# Altium PCB Udemy_Project.PcbDoc (part 1 of 2) (continued)
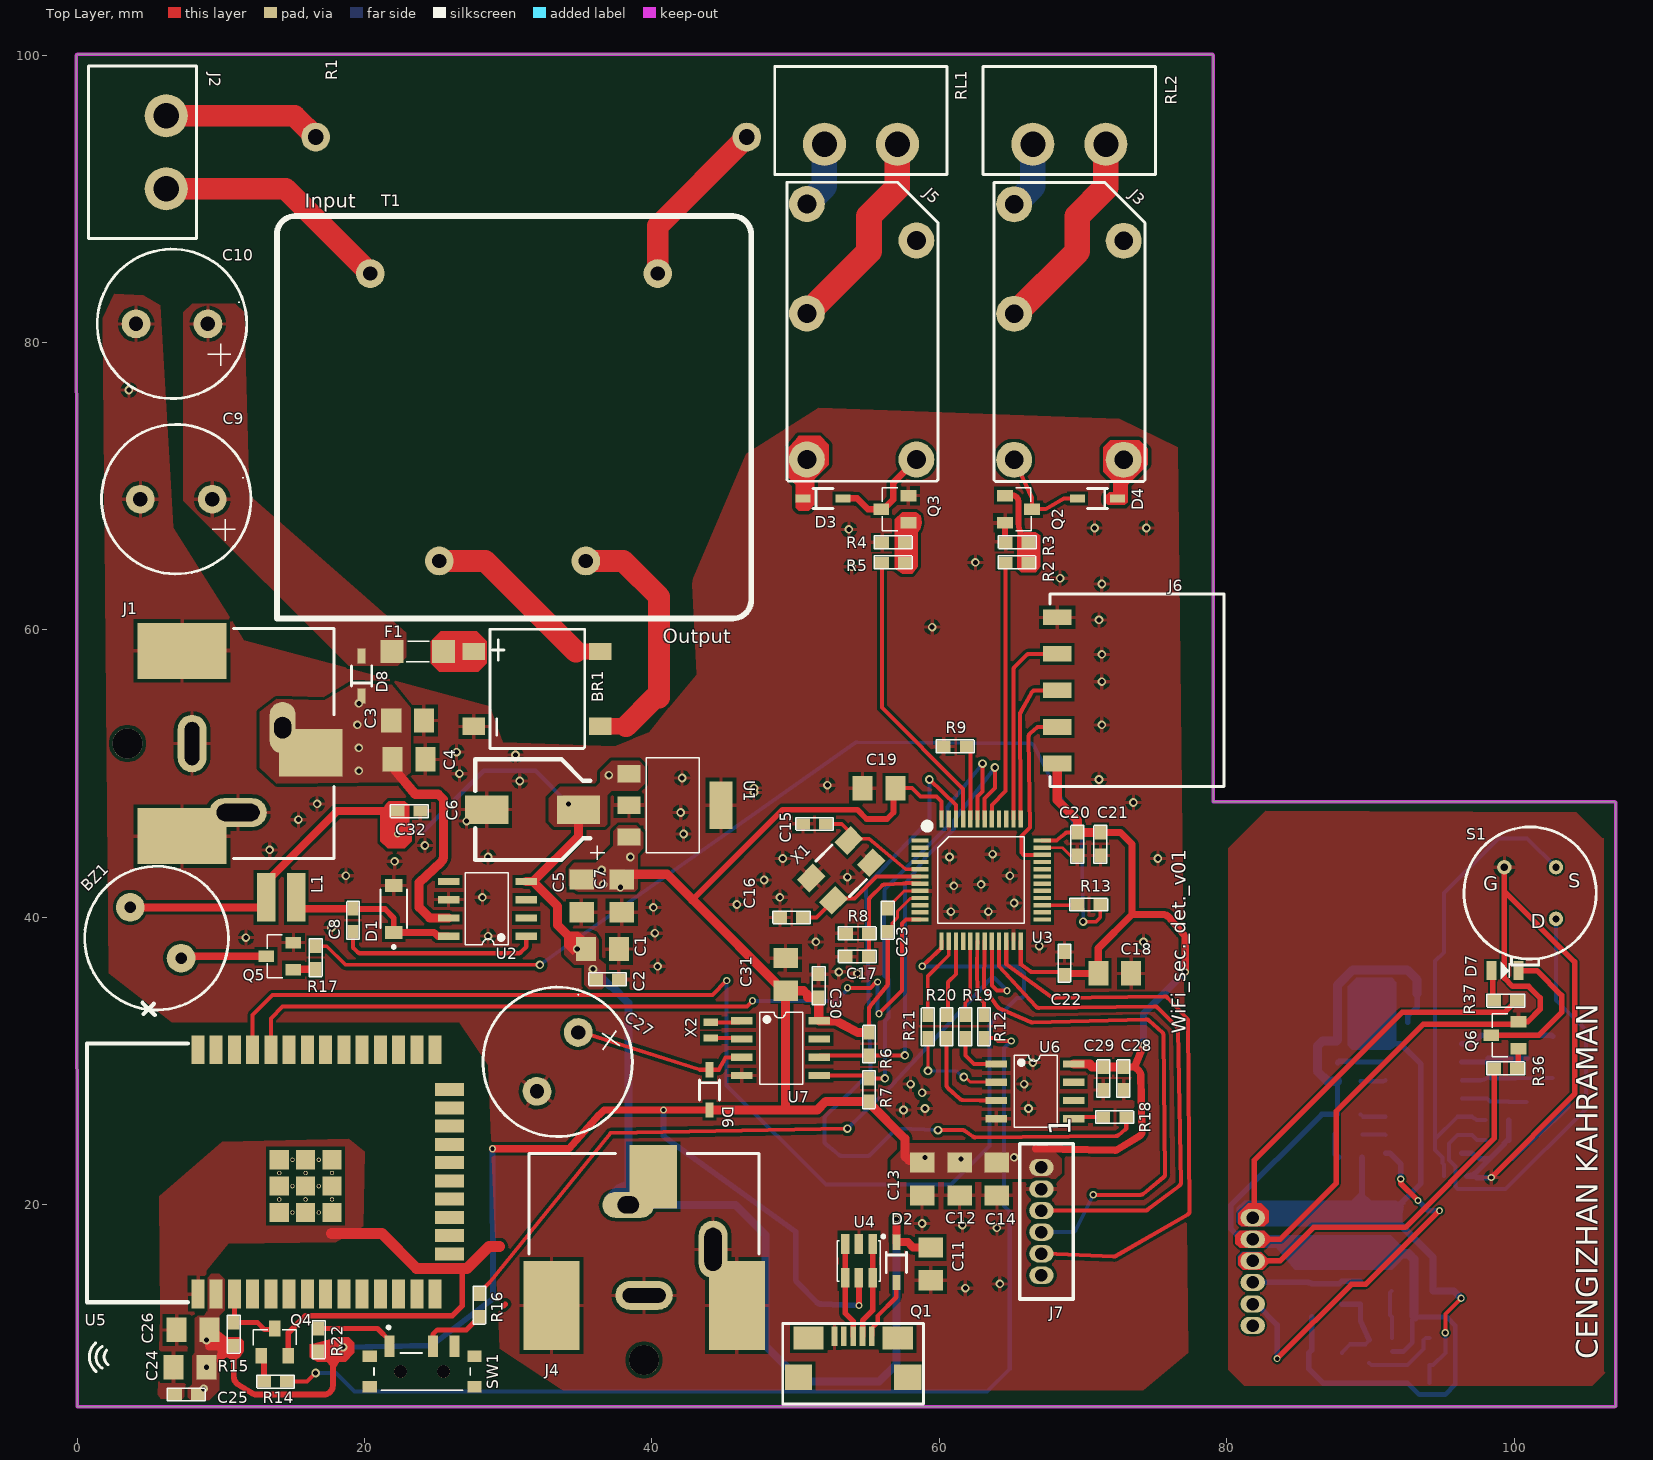
[diagram p0: Top Layer view]
## Design rules (kind name [scope] priority, off if disabled: settings)
Clearance [All] p1: gap=0.127 ignorepadtopadclearanceinfootprint=FALSE except(0: Arc-Hole Track-Hole SMDPad-Hole THPad-Hole Via-Hole Fill-Hole Poly-Hole Region-Hole Text-Hole; 0.102: Arc-Arc Arc-Track Arc-Via Track-Track Track-Via SMDPad-Via THPad-Via Via-Via; 0.229: Arc-Text Track-Text SMDPad-Text THPad-Text Via-Text Fill-Text Poly-Text Region-Text Text-Text)
ComponentClearance [All] p1: gap=0.127 collisioncheckmode=3 verticalgap=0.254 showdistances=FALSE
DiffPairsRouting [All] p1: maxlimit=0.254 minlimit=0.254 mostfreqgap=0.254 toplayer_minwidth=0.2 toplayer_maxwidth=0.381 toplayer_prefwidth=0.381 bottomlayer_minwidth=0.2 bottomlayer_maxwidth=0.381 bottomlayer_prefwidth=0.381 maxuncoupledlength=12.7
PasteMaskExpansion [All] p1: expansion=0.127
PlaneClearance [All] p1: clearance=0.762
PlaneConnect [All] p1: planeconnectstyle=Relief reliefexpansion=0.025 reliefentries=4 reliefconductorwidth=0.025 reliefairgap=0.025
PolygonConnect [All] p1: connectstyle=Relief reliefconductorwidth=0.254 reliefentries=4 polygonreliefangle="90 Angle" airgapwidth=0.254
RoutingCorners [All] p1: cornerstyle=45-Degree minsetback=2.032 maxsetback=2.032
RoutingVias [All] p1: holewidth=0.3 width=0.5 viastyle="Through Hole" minholewidth=0.25 minwidth=0.4 maxholewidth=0.5 maxwidth=1
SMDToCorner [All] p1: distance=10000
SilkToSilkClearance [All] p1: silktosilkclearance=0
SolderMaskExpansion [All] p1: expansion=0.102 istentingtop=FALSE
UnRoutedNet [All] p1: checkbadconnections=TRUE
Width [All] p1: maxlimit=1.778 minlimit=0.203 preferedwidth=0.279 minimp=50.000000 maximp=50.000000 favimp=50.000000
22 further rules are at their usual default settings.

## Classes and differential pairs
component class "Sensor Board": C32 C33 C34 C35 C36 C37 C38 C39 C40 C41 C42 C43 C44 C45 C46 D6 D7 J8 Q6 R23 R24 R25 R26 R27 R28 R29 R30 R31 R32 R33 R34 R35 R36 R37 RT1 S1 U8 U9
component class "Power Management": BR1 C1 C2 C3 C4 C5 C6 C7 C8 C9 C10 C11 C12 C13 C14 D1 D2 D3 D4 D8 F1 J1 J2 J3 J4 J5 J6 J7 L1 Q1 Q2 Q3 R1 R2 R3 R4 R5 RL1 RL2 T1 U1 U2
component class Microcontroller: BZ1 C15 C16 C17 C18 C19 C20 C21 C22 C23 C24 C25 C26 C27 C28 C29 C30 C31 C32 D6 Q4 Q5 R6 R7 R8 R9 R10 R11 R12 R13 R14 R15 R16 R17 R18 R19 R20 R21 R22 SW1 U3 U4 U5 U6 U7 X1 X2
differential pair USB_MCU: +USB_MCU_P -USB_MCU_N
differential pair USB: +USB_P -USB_N

## Components (designator, comment, footprint, x,y, rotation, side; value= is the part's Value field where it differs from the comment)
BR1 "DB105STR" DB1 32,55.9 r90 top
BZ1 "CMI-9605IC-0580T" CMI-9605IC 5.468,38.932 r225 top
C1 "CAP CER 1uF" "CAP 0805" 36.557,37.8 r180 top
C2 "CAP CER 100nF 0603" CAP_0603 35.7,35.7 r180 top
C3 "CAP CER 1uF" "CAP 0805" 23,53.7 r0 top
C4 "CAP CER 100nF 0805" "CAP 0805" 23.1,51 r180 top
C5 "CAP CER 4.7uF 0805" "CAP 0805" 35.1,41.5 r270 top
C6 "CAP ALU 68uF" "CAP EEVSERIES" 31.7,47.5 r180 top
C7 "CAP CER 1uF" "CAP 0805" 37.9,41.5 r90 top
C8 "CAP CER 10nF 0603" CAP_0603 19.2,41 r90 top
C9 "ESH477M050AH4AA" CAP_RADIAL_D10_P5 6.9,69.1 r180 top
C10 "ESH477M050AH4AA" CAP_RADIAL_D10_P5 6.6,81.3 r180 top
C11 "CAP CER 4.7uF 0805" "CAP 0805" 59.4,15.9 r270 top
C12 "CAP CER 4.7uF 0805" "CAP 0805" 61.4,21.8 r90 top
C13 "CAP CER 4.7uF 0805" "CAP 0805" 58.8,21.8 r90 top
C14 "CAP CER 1uF" "CAP 0805" 64,21.8 r90 top
C15 "CAP CER 20pF 0603" CAP_0603 50.1,46.5 r180 top
C16 "CAP CER 20pF 0603" CAP_0603 48.5,40 r180 top
C17 "CAP CER 100nF 0603" CAP_0603 53.079,37.281 r180 top
C18 "CAP CER 4.7uF 0805" "CAP 0805" 72.2,36.1 r180 top
C19 "CAP CER 1uF" "CAP 0805" 55.8,49 r0 top
C20 "CAP CER 100nF 0603" CAP_0603 69.6,46.3 r90 top
C21 "CAP CER 100nF 0603" CAP_0603 71.2,46.3 r90 top
C22 "CAP CER 100nF 0603" CAP_0603 68.7,35.6 r270 top
C23 "CAP CER 100nF 0603" CAP_0603 56.4,38.6 r270 top
C24 "CAP CER 4.7uF 0805" "CAP 0805" 7.857,8.7 r0 top
C25 "CAP CER 100nF 0603" CAP_0603 8.8,6.8 r0 top
C26 "CAP CER 1uF" "CAP 0805" 8.057,11.3 r180 top
C27 "ESH477M050AH4AA" CAP_RADIAL_D10_P5 33.434,29.948 r235 top
C28 "CAP CER 100nF 0603" CAP_0603 72.8,30 r90 top
C29 "CAP CER 100nF 0603" CAP_0603 71.4,30 r90 top
C30 "CAP CER 100nF 0603" CAP_0603 51.6,34.043 r270 top
C31 "CAP CER 1uF" "CAP 0805" 49.3,36.043 r90 top
C32 "CAP CER 10nF 0603" CAP_0603 99.6,29.2 r90 bottom
C32 "CAP CER 100nF 0603" CAP_0603 21.9,47.4 r180 top
C33 "CAP CER 33uF 1206" CAP_1206 102.3,27.2 r180 bottom
C34 "CAP CER 33uF 1206" CAP_1206 102.7,30.3 r90 bottom
C35 "CAP CER 100nF 0603" CAP_0603 97.6,24.5 r180 bottom
C36 "CAP CER 10nF 0603" CAP_0603 99.6,32.2 r90 bottom
C37 "CAP CER 100nF 0603" CAP_0603 94.5,7.6 r0 bottom
C38 "CAP CER 100nF 0603" CAP_0603 94.7,22 r180 bottom
C39 "CAP CER 4.7uF 0805" "CAP 0805" 86.857,9.7 r0 bottom
C40 "CAP CER 1uF" "CAP 0805" 85.9,13.357 r90 bottom
C41 "CAP CER 100nF 0603" CAP_0603 87.7,31.9 r90 bottom
C42 "CAP CER 1uF" "CAP 0805" 92.1,34.7 r180 bottom
C43 "CAP CER 100nF 0603" CAP_0603 90.6,32.7 r180 bottom
C44 "CAP CER 4.7uF 0805" "CAP 0805" 90.7,18.2 r90 bottom
C45 "CAP CER 4.7uF 0805" "CAP 0805" 88,18.2 r90 bottom
C46 "CAP CER 1uF" "CAP 0805" 85.3,18.243 r90 bottom
D1 "SZMMSZ52" SZM 22.1,40.5 r90 top
D2 "1N4148WS" SOD323F 59.3,18 r270 top
D3 "1N4148WS" SOD323F 49.9,71.457 r0 top
D4 "1N4148WS" SOD323F 73,66.857 r180 top
D6 "LED GREEN 0805" "LED GREEN 0805" 88.5,24.9 r180 bottom
D6 "1N4148WS" SOD323F 46.3,30 r270 top
D7 "LED RED 0805" "LED RED 0805" 97.15,36.1 r180 top
D8 "1N4148WS" SOD323F 17.5,54.8 r90 top
F1 "FUSE 3413.0216.22" "FUSE 3413.0216.22" 23.7,58.5 r180 top
J1 "PJ-037AH-SMT-TR" JACK -3.725,49.6 r0 top
J2 "TBP01R1-508-02BE" TBP01R1-508 15.5,99.04 r270 top
J3 "TBP01R1-508-02BE" TBP01R1-508 74.84,84.5 r180 top
J4 "PJ-037AH-SMT-TR" JACK 41.95,1.975 r90 top
J5 "TBP01R1-508-02BE" TBP01R1-508 60.34,84.5 r180 top
J6 "SMH-105-02-L-S" PINHEADER1X5_RA 71.8,51.4 r90 top
J7 "64800611622_conn_6pin" 64800611622 64.302,22.311 r270 top
J8 "64800611622_conn_6pin" 64800611622 84.598,18.811 r270 bottom
L1 "IND 47uH" IND_1212 14.2,41.4 r180 top
Q1 "Micro B USB Connector" MICRO_B_USB 50.86,10.706 r0 top
Q2 "MMBT3904-7-F" SOT-23F 65.5,68.407 r270 top
Q3 "MMBT3904-7-F" SOT-23F 56.9,68.4 r90 top
Q4 "MMBT3904-7-F" SOT-23F 13.75,10.445 r0 top
Q5 "MMBT3904-7-F" SOT-23F 14.1,37.3 r90 top
Q6 "MMBT3904-7-F" SOT-23F 99.345,31.8 r90 top
R1 "5WD27" RES_AXIAL_W 31.6,94.3 r0 top
R2 "RES 1K OHM 0603" RES_0603 65.4,64.7 r0 top
R3 "RES 10K OHM 0603" RES_0603 65.4,66.11 r180 top
R4 "RES 10K OHM 0603" RES_0603 56.8,66.1 r0 top
R5 "RES 1K OHM 0603" RES_0603 56.8,64.7 r0 top
R6 "RES 4.7K OHM 0603" RES_0603 55.1,31.2 r90 top
R7 "RES 4.7K OHM 0603" RES_0603 55.1,28 r270 top
R8 "RES 100 OHM 0603" RES_0603 54.3,38.9 r0 top
R9 "RES 100 OHM 0603" RES_0603 61.1,51.9 r0 top
R12 "RES 100 OHM 0603" RES_0603 63.1,32.4 r270 top
R13 "RES 100 OHM 0603" RES_0603 70.4,40.9 r0 top
R14 "RES 100 OHM 0603" RES_0603 13.8,7.7 r180 top
R15 "RES 1K OHM 0603" RES_0603 10.9,11 r270 top
R16 "RES 100 OHM 0603" RES_0603 28,13 r270 top
R17 "RES 100 OHM 0603" RES_0603 16.6,37.2 r270 top
R18 "RES 100 OHM 0603" RES_0603 72.2,26.1 r0 top
R19 "RES 100 OHM 0603" RES_0603 61.8,32.4 r90 top
R20 "RES 100 OHM 0603" RES_0603 60.5,32.4 r90 top
R21 "RES 100 OHM 0603" RES_0603 59.2,32.4 r90 top
R22 "RES 100 OHM 0603" RES_0603 16.8,10.6 r270 top
R23 "RES 10K OHM 0603" RES_0603 99,23.2 r0 bottom
R24 "RES 10K OHM 0603" RES_0603 92.3,12.2 r180 bottom
R25 "RES 560K OHM 0603" RES_0603 98.2,28.1 r90 bottom
R26 "RES 10K OHM 0603" RES_0603 100.9,31 r270 bottom
R27 "RES 560K OHM 0603" RES_0603 98.2,31 r90 bottom
R28 "RES 43K OHM 0603" RES_0603 98.8,25.9 r180 bottom
R29 "RES 1K OHM 0603" RES_0603 89.9,9.8 r90 bottom
R30 "RES 220K OHM 0603" RES_0603 89.3,13.9 r90 bottom
R31 "RES 220K OHM 0603" RES_0603 88,13.9 r90 bottom
R32 "RES 0 OHM 0603" RES_0603 88.5,26.3 r0 bottom
R33 "RES 0 OHM 0603" RES_0603 88.5,28.6 r0 bottom
R34 "RES 1K OHM 0603" RES_0603 88.6,23.3 r0 bottom
R35 "RES 220K OHM 0603" RES_0603 89,30.8 r90 bottom
R36 "RES 1K OHM 0603" RES_0603 99.4,29.5 r0 top
R37 "RES 100 OHM 0603" RES_0603 99.4,34.2 r180 top
RL1 "ALQ112" ALQ112 54.59,80.75 r90 top
RL2 "ALQ112" ALQ112 69.01,80.73 r90 top
RT1 "TFPT 1206L 1002FM" RES_1206 92.9,14 r0 bottom
S1 "LHI 878/3902" "LHI 878" 101.104,41.696 r0 top
SW1 "EG1215AA" EG121 896.615,-137.692 r0 top
T1 "BV302S12010-ZU" BV302S 30.4,74.8 r0 top
U1 "AP7361-33E-13" SOT223 41.6,47.8 r270 top
U2 "LM2675MX-12/NOPB" SOIC8 28.5,40.6 r270 top
U3 "STM32F103C6T6" LQFP-48 62.9,42.6 r270 top
U4 "USB PROTECTION" SOT23-6L 55.7,16 r270 top
U5 "ESP32-WROOM 32E (4 MB)" ESP32-32E 17.155,22.3 r90 top
U6 "MAX6662" SOIC8 66.7,27.9 r90 top
U7 "M41T00" SOIC8 49,30.9 r90 top
U8 "OPA314" SOT23-5 92.8,9.8 r0 bottom
U9 "NCS360000" SOIC14 94.1,29.8 r180 bottom
X1 "CRYSTAL 16MHz" ECS 53.8,44.9 r45 top
X2 "CRYSTAL 32768kHZ" AB505 44,32.15 r90 top

## Footprints (in the part's own frame and the unit in brackets; to place one, negate y for a bottom-side part, rotate by r counter-clockwise, add the part's x,y. Pads: shape width x height; smd on the part's side, far side on the other; paste and mask are expansions set on the pad)
64800611622 [mm]
  oval 1.2x1.7 hole 0.87 mask+0.05: 1(-0.289,2.798) 2(1.211,2.798) 3(2.711,2.798) 4(4.211,2.798) 5(5.711,2.798) 6(7.211,2.798)
  silkscreen extent -1.94,1.3 8.86,5, body extent -1.79,1.4 8.71,4.9, height 4.75
AB505 [mm]
  rect 0.5x1 smd mask+0.05: 1(-0.55,-0.1) 2(0.55,-0.1)
  body extent -0.8,-0.6 0.8,0.4, height 0.5
ALQ112 [mm]
  round 2.5 hole 1.3: 1(6.35,-3.81) 2(1.27,3.81) 3(8.89,3.81) 4(-8.89,-3.81) 5(-8.89,3.81)
  silkscreen extent -10.4,-5.3 10.4,5.2, body extent -10,-5 10,5, height 15.6
BV302S [mm]
  round 2 hole 1: 1(10,10) 5(-10,10) 7(-5.2,-10) 9(5,-10)
  silkscreen extent -16.5,-14 16.5,14, body extent -16.25,-13.75 16.25,13.75, height 21.8
"CAP 0805" [mm]
  rect 1.4x1.7 smd: 1(-1.143,0) 2(1.143,0)
  body extent -1.15,-0.76 1.15,0.79, height 1.01
"CAP EEVSERIES" [mm]
  rect 3x2 smd mask+0.05: 1(-3.2,0) 2(3.2,0)
  silkscreen extent -5,-3.5 4,3.5, body extent -3.8,-3.4 3.8,3.4, height 8.01
CAP_0603 [mil]
  rect 38x31 smd mask+1.97: 1(-78.74,0) 2(-15.74,0)
  silkscreen extent -99,-17 4,18, body extent -89,-22 -6,18, height 32
CAP_1206 [mm]
  rect 0.9x1.6 smd mask+0.05: 1(-1.46,-0.032) 2(1.44,-0.032)
  silkscreen extent -0.31,-0.83 0.29,0.77, body extent -1.98,-1.01 1.97,0.94, height 1.3
CAP_RADIAL_D10_P5 [mm]
  round 2 hole 1: 1(-2.5,0) 2(2.5,0)
  silkscreen extent -5.2,-5.2 5.2,5.2, body extent -5.2,-5.3 5.3,5.2, height 22.21
CMI-9605IC [mm]
  round 2 hole 0.8: 1(0,2.5) 2(0,-2.5)
  silkscreen extent -4.78,-4.69 5.22,5.31, body extent -4.6,-4.5 5,6, height 5.1
DB1 [mm]
  rect 1.2x1.55 smd mask+0.05: 1(-2.605,-4.4) 2(2.605,-4.4) 3(2.605,4.4) 4(-2.605,4.4)
  silkscreen extent -4.15,-3.32 4.15,3.28, body extent -4.16,-5.2 4.16,5.2, height 2.66
ECS [mm]
  rect 1.6x1.25 smd mask+0.05: 1(-3.45,-1.8) 2(0.25,-1.8) 3(0.25,0.4) 4(-3.45,0.4)
  silkscreen extent -2.5,-2.4 -0.8,1, body extent -4.1,-2.3 0.9,0.9, height 0.85
EG121 [mm]
  rect 0.7x1.5 smd: 1(-874.865,147.842) 2(-871.865,147.842) 3(-870.365,147.842)
  rect 1x0.8 smd: S1(-876.265,147.142) S2(-876.265,145.042) S3(-868.965,145.042) S4(-868.965,147.142)
  round 0.9 hole 0.9 unplated: ""(-874.115,146.092) ""(-871.115,146.092)
  silkscreen extent -875.97,144.79 -869.27,149.26, body extent -876.47,143.89 -868.77,148.79
ESP32-32E [mm]
  rect 2x0.9 smd mask+0.05: 1(-8.5,8.755) 2(-8.5,7.485) 3(-8.5,6.215) 4(-8.5,4.945) 5(-8.5,3.675) 6(-8.5,2.405) 7(-8.5,1.135) 8(-8.5,-0.135) 9(-8.5,-1.405) 10(-8.5,-2.675) 11(-8.5,-3.945) 12(-8.5,-5.215) 13(-8.5,-6.485) 14(-8.5,-7.755) 25(8.5,-7.755) 26(8.5,-6.485) 27(8.5,-5.215) 28(8.5,-3.945) 29(8.5,-2.675) 30(8.5,-1.405) 31(8.5,-0.135) 32(8.5,1.135) 33(8.5,2.405) 34(8.5,3.675) 35(8.5,4.945) 36(8.5,6.215) 37(8.5,7.485) 38(8.5,8.755)
  rect 0.9x2 smd mask+0.05: 15(-5.715,-8.755) 16(-4.445,-8.755) 17(-3.175,-8.755) 18(-1.905,-8.755) 19(-0.635,-8.755) 20(0.635,-8.755) 21(1.905,-8.755) 22(3.175,-8.755) 23(4.445,-8.755) 24(5.715,-8.755)
  rect 1.33x1.33 smd mask+0.05: 39(-2.835,3.09) 39(-2.835,-0.58) 39(-2.835,1.255) 39(-1,3.09) 39(-1,-0.58) 39(-1,1.255) 39(0.835,3.09) 39(0.835,-0.58) 39(0.835,1.255)
  round 0.3 hole 0.2 mask+0.05: 39(-2.835,0.338) 39(-2.835,2.173) 39(-1.917,3.09) 39(-1.917,-0.58) 39(-1.917,1.255) 39(-1,2.173) 39(-1,0.338) 39(-0.082,3.09) 39(-0.082,1.255) 39(-0.082,-0.58) 39(0.835,2.173) 39(0.835,0.338)
  silkscreen extent -9.07,9.46 8.93,16.46, body extent -8.95,-9 8.95,16.4, height 2.61
"FUSE 3413.0216.22" [mm]
  rect 1.6x1.6 smd: 1(-1.8,0) 2(1.8,0)
  silkscreen extent -0.8,-0.7 0.8,0.7, body extent -1.6,-0.8 1.6,0.8, height 0.61
IND_1212 [mm]
  rect 1.3x3.4 smd mask+0.05: 1(-1.05,0) 2(1.05,0)
  body extent -1.5,-1.5 1.5,1.5, height 1.2
JACK [mm]
  oval 1.8x3.6 hole 1.2 slot 1.5 at 90 deg: 1(18.025,3.6)
  rect 4.4x3.3 smd: 1(19.975,1.85)
  rect 6.2x3.9 smd: 2(11.025,8.95) 3(11.025,-3.95)
  oval 2x4 hole 1 slot 3 at 90 deg: 2(11.725,2.5)
  oval 4x2 hole 1.2 slot 3 at 0 deg: 3(14.925,-2.3)
  round 2.1 hole 2.1 unplated: ""(7.225,2.5)
  silkscreen extent 14.6,-5.5 21.6,10.5, body extent 4.12,-5.25 21.22,9.95, height 11.1
"LED GREEN 0805" [mm]
  rect 0.7x1.3 smd mask+0.05: 1(-0.95,0) 2(0.95,0)
  silkscreen extent -0.3,-0.6 0.3,0.6, body extent -1.01,-0.63 1.01,0.62, height 1.1
"LED RED 0805" [mm]
  rect 0.7x1.3 smd mask+0.05: 1(-3.15,-0.2) 2(-1.25,-0.2)
  silkscreen extent -2.5,-0.8 -1.9,0.4, body extent -3.21,-0.83 -1.19,0.42, height 1.1
"LHI 878" [mm]
  round 1 hole 0.5: 1(1.796,-1.796) 2(1.796,1.796) 3(-1.796,1.796)
  silkscreen extent -4.6,-5 4.6,4.6, body extent -4.6,-5.03 4.6,4.6, height 4.6
LQFP-48 [mm] "7mm x 7mm"
  rect 0.3x1.2 smd mask+0.05: 1(-2.75,-4.25) 2(-2.25,-4.25) 3(-1.75,-4.25) 4(-1.25,-4.25) 5(-0.75,-4.25) 6(-0.25,-4.25) 7(0.25,-4.25) 8(0.75,-4.25) 9(1.25,-4.25) 10(1.75,-4.25) 11(2.25,-4.25) 12(2.75,-4.25) 25(2.75,4.25) 26(2.25,4.25) 27(1.75,4.25) 28(1.25,4.25) 29(0.75,4.25) 30(0.25,4.25) 31(-0.25,4.25) 32(-0.75,4.25) 33(-1.25,4.25) 34(-1.75,4.25) 35(-2.25,4.25) 36(-2.75,4.25)
  rect 1.2x0.3 smd mask+0.05: 13(4.25,-2.75) 14(4.25,-2.25) 15(4.25,-1.75) 16(4.25,-1.25) 17(4.25,-0.75) 18(4.25,-0.25) 19(4.25,0.25) 20(4.25,0.75) 21(4.25,1.25) 22(4.25,1.75) 23(4.25,2.25) 24(4.25,2.75) 37(-4.25,2.75) 38(-4.25,2.25) 39(-4.25,1.75) 40(-4.25,1.25) 41(-4.25,0.75) 42(-4.25,0.25) 43(-4.25,-0.25) 44(-4.25,-0.75) 45(-4.25,-1.25) 46(-4.25,-1.75) 47(-4.25,-2.25) 48(-4.25,-2.75)
  silkscreen extent -3.95,-3.95 3,3, body extent -4.5,-4.5 4.5,4.5, height 1.6
MICRO_B_USB [mm]
  rect 0.4x1.35 smd mask+0.05: 1(4.44,0.144) 2(3.79,0.144) 3(3.14,0.144) 4(2.49,0.144) 5(1.84,0.144)
  rect 1.9x1.8 smd mask+0.05: ""(-0.66,-2.706) ""(6.94,-2.706)
  rect 2.1x1.6 smd mask+0.05: ""(0.04,0.021) ""(6.24,0.021)
  silkscreen extent -1.76,-4.56 8.04,1.04, body extent -0.82,-5.32 7.1,0.34, height 2.79
PINHEADER1X5_RA [mm]
  rect 1.1x2 smd mask+0.05: 1(-0.68,3.6) 2(1.86,3.6) 3(4.4,3.6) 4(6.94,3.6) 5(9.48,3.6)
  silkscreen extent -2.3,-8 11.1,4.1, body extent -2.2,-7.91 11,4.03, height 2.41
RES_0603 [mil]
  rect 38x31 smd mask+1.97: 1(-31.5,0) 2(31.5,0)
  silkscreen extent -52,-17 52,18, body extent -39,-19 38,19, height 18
RES_1206 [mm]
  rect 0.9x1.6 smd mask+0.05: 1(-1.45,0) 2(1.45,0)
  silkscreen extent -0.75,-0.7 0.75,0.7, body extent -1.6,-0.84 1.6,0.82, height 0.53
RES_AXIAL_W [mm]
  round 2 hole 1.1 mask+0.05: 1(-15,0) 2(15,0)
  body extent -15.4,-4.82 15.42,4.83, height 9.65
SOD323F [mm]
  rect 1.05x0.55 smd mask+0.05: 1(0.6,-2.3) 2(3.4,-2.3)
  silkscreen extent 1.3,-3 2.7,-1.6, body extent 0.75,-2.97 3.25,-1.62, height 1
SOIC8 [mm]
  rect 0.5x1.5 smd mask+0.05: 1(1.905,2.75) 2(0.635,2.75) 3(-0.635,2.75) 4(-1.905,2.75) 5(-1.905,-2.65) 6(-0.635,-2.65) 7(0.635,-2.65) 8(1.905,-2.65)
  silkscreen extent -2.5,-1.5 2.5,1.5, body extent -2.45,-3.1 2.45,2.9
SOIC14 [mm]
  rect 1.18x0.58 smd mask+0.05: 1(-2.26,1.41) 2(-2.26,0.14) 3(-2.26,-1.13) 4(-2.26,-2.4) 5(-2.26,-3.67) 6(-2.26,-4.94) 7(-2.26,-6.21) 8(3.06,-6.21) 9(3.06,-4.94) 10(3.06,-3.67) 11(3.06,-2.4) 12(3.06,-1.13) 13(3.06,0.14) 14(3.06,1.41)
  silkscreen extent -1.4,-6.9 2.2,2, body extent -2.6,-6.8 3.4,2, height 1.7
SOT23-5 [mm]
  rect 1.1x0.6 smd mask+0.05: 1(-1.3,0.95) 2(-1.3,0) 3(-1.3,-0.95) 4(1.3,-0.95) 5(1.3,0.95)
  silkscreen extent -0.6,-1.4 0.6,1.4, body extent -1.4,-1.45 1.4,1.45, height 1.45
SOT23-6L [mm]
  rect 1.36x0.6 smd mask+0.05: 1(-1.275,-0.35) 2(-1.275,-1.3) 3(-1.275,-2.25) 4(1.075,-2.25) 5(1.075,-1.3) 6(1.075,-0.35)
  silkscreen extent -1.9,-2.8 1.3,0.5, body extent -1.5,-2.76 1.3,0.16, height 1.45
SOT223 [mm]
  rect 1.2x1.6 smd: 1(-2.2,-3.2) 2(0,-3.2) 3(2.2,-3.2)
  rect 3.3x1.6 smd: 2(0,3.2)
  silkscreen extent -3.3,-2 3.3,1.7, body extent -3.25,-3.5 3.25,3.5, height 1.64
SOT-23F [mm]
  rect 0.8x1.1 smd mask+0.05: 1(-0.95,-0.945) 2(0.95,-0.945) 3(0,0.945)
  silkscreen extent -1.5,-0.2 1.51,0.87, body extent -1.45,-1.2 1.45,1.2, height 0.91
SZM [mm]
  rect 0.915x1.22 smd mask+0.05: A(1.732,0.065) K(-1.543,0.065)
  silkscreen extent -2.66,-0.86 1.44,0.99, body extent -1.75,-0.74 1.94,0.87, height 1.35
TBP01R1-508 [mm]
  round 3 hole 1.75 mask+0.05: 1(3.26,-9.3) 2(8.34,-9.3)
  silkscreen extent -0.2,-14.7 11.8,-7.2, body extent -0.08,-19.3 11.68,-7.3, height 8.55

## Part data
BR1: "Bridge Rect 1PHASE 600V 1A Db-s", Average Rectified Current=1A, Case/Package=SMD/SMT, Manufacturer=SMC, Max Operating Temperature=150°C, Min Operating Temperature=-55°C, Supplier Part Number 1=5119461, Category="Industrial Control", ComponentLink1Description=http://www.smc-diodes.com/propdf/DB101S%20THRU%20DB107S%20N1459%20REV.B.pdf?src-supplier=Digi-Key, ComponentLink1URL=http://www.smc-diodes.com/propdf/DB101S%20THRU%20DB107S%20N1459%20REV.B.pdf?src-supplier=Digi-Key, Manufacturer Part Number=DB105STR, Mount="Surface Mount", Packaging="Tape and Reel", Pricing 1="1500=0.0744, 4500=0.0716, 15000=0.0686, 30000=0.067, 60000=0.064 (USD)", RoHS=No, Supplier 1="Future Electronics"
BZ1: "Audio Buzzer Magnetic 3VDC 7VDC 30mA 5VDC 85dB 2600Hz to 2800Hz Through Hole Pin Box", Case/Package=CMI-9605IC, Manufacturer="CUI Devices", Category="Audio Products", Manufacturer Part Number=CMI-9605IC-0580T, Pricing 1="1=1.3577, 10=1.146, 25=1.0571, 50=0.9935, 100=0.9263, 300=0.797, 600=0.7855 (USD)", Pricing 2="1=1.3577, 10=1.146, 25=1.0571, 50=0.9935, 100=0.9263, 300=0.797, 600=0.7855 (USD)", RoHS=No, Stock 1=1, Stock 2=1, Supplier 1="Arrow Electronics", Supplier 2="Arrow Electronics", Supplier Part Number 2=CMI-9605IC-0580T
C2 C17 C20 C21 C22 C23 C25 C28 C29 C30 C32 C35 C37 C38 C41 C43: Case/Package=0603
C4: "Multilayer Ceramic Capacitor, VJ Series, 0.1 - F, - 10%, X7R, 50 V, 0805 [2012 Metric]", Capacitance=100nF, Case Code (Imperial)=0805, Case Code (Metric)=2012, Dielectric=X7R, Manufacturer="Vishay Vitramon", Manufacturer Part Number=VJ0805Y104KNAAT, Max Operating Temperature=125°C, Min Operating Temperature=-55°C, Package Quantity=1, Supplier Part Number 1=2407330, Tolerance=10%, Voltage=50V, Case/Package=0805, Category="Ceramic Capacitors", ComponentLink1Description=https://datasheet.ciiva.com/11785/0900766b8104796c-11785977.pdf?src-supplier=Rs, ComponentLink1URL=https://datasheet.ciiva.com/11785/0900766b8104796c-11785977.pdf?src-supplier=Rs, ComponentLink2Description=https://datasheet.ciiva.com/46417/1805046-46417861.pdf?src-supplier=Element14, ComponentLink2URL=https://datasheet.ciiva.com/46417/1805046-46417861.pdf?src-supplier=Element14, ComponentLink3Description=https://datasheet.ciiva.com/46417/1805046-46417862.pdf?src-supplier=Element14, ComponentLink3URL=https://datasheet.ciiva.com/46417/1805046-46417862.pdf?src-supplier=Element14, ComponentLink4Description=https://datasheet.ciiva.com/148/nonmagneticepoxybond-148471.pdf?src-supplier=Digi-Key, ComponentLink4URL=https://datasheet.ciiva.com/148/nonmagneticepoxybond-148471.pdf?src-supplier=Digi-Key, ComponentLink5Description=https://datasheet.ciiva.com/148/nonmagneticepoxybond-148472.pdf?src-supplier=Digi-Key, ComponentLink5URL=https://datasheet.ciiva.com/148/nonmagneticepoxybond-148472.pdf?src-supplier=Digi-Key, ComponentLink6Description=https://datasheet.ciiva.com/148/nonmagneticepoxybond-148473.pdf?src-supplier=Digi-Key, ComponentLink6URL=https://datasheet.ciiva.com/148/nonmagneticepoxybond-148473.pdf?src-supplier=Digi-Key, Construction=Flat, Depth=1.25mm, Height=1.45mm, Length=2mm, Mount="Surface Mount", Packaging="Tape and Reel", Pricing 1="5=0.523, 50=0.312, 250=0.297, 500=0.214, 1500=0.201, 3000=0.17, 15000=0.15, 30000=0.147 (EUR)", Radiation Hardening=No, Reach SVHC Compliant=Unknown, RoHS=Yes, RoHS Compliant=Yes, Series=VJ, Supplier 1=Farnell, Termination=SMD/SMT, Thickness=0.057inch, Voltage Rating=50V, Voltage Rating (DC)=50V, Width=0.049inch
C5 C11 C12 C13 C18 C24 C39 C44 C45: "CAP CER 4.7UF 25V X5R 0805", Manufacturer=Samsung, Manufacturer Part Number=CL21A475KAQNNNE, Cap=4.7uF, Category="Ceramic Capacitors", ComponentLink1Description=https://datasheet.ciiva.com/25798/cl21a475kaqnnne-25798882.pdf?src-supplier=Digi-Key, ComponentLink1URL=https://datasheet.ciiva.com/25798/cl21a475kaqnnne-25798882.pdf?src-supplier=Digi-Key, Pricing 1="2000=0.0173, 4000=0.0169, 10000=0.0146, 14000=0.0133, 50000=0.0114, 100000=0.0096, 200000=0.0089 (USD)", RoHS=Yes, Stock 1=906000, Supplier 1="Arrow Electronics", Supplier Part Number 1=CL21A475KAQNNNE
C6: Capacitance=68uF
C8 C32 C36: Capacitance=10nF
C9 C10 C27: "Cap, 470UF, 50V, Alu Elec, Radial", Manufacturer=KEMET, Supplier Part Number 1=80-ESH477M050AH4AA, Cap=470uF, ComponentLink1Description=https://api.kemet.com/component-edge/download/datasheet/ESH477M050AH4AA.pdf?src-supplier=Digi-Key, ComponentLink1URL=https://api.kemet.com/component-edge/download/datasheet/ESH477M050AH4AA.pdf?src-supplier=Digi-Key, ComponentLink2Description=https://datasheet.octopart.com/ESH477M050AH4AA-KEMET-datasheet-130075338.pdf?src-supplier=Newark, ComponentLink2URL=https://datasheet.octopart.com/ESH477M050AH4AA-KEMET-datasheet-130075338.pdf?src-supplier=Newark, Manufacturer Part Number=ESH477M050AH4AA, Pricing 1="1=0.57, 10=0.4, 50=0.302, 100=0.263, 1000=0.263, 10000=0.263 (USD)", RoHS=Yes, Stock 1=3823, Supplier 1=Mouser
C33 C34: Capacitance=33uF
D1: "Diode Zener Single 16V 5% 500mW Automotive 2-Pin SOD-123 T/R", Manufacturer="ON Semiconductor", Manufacturer Part Number=SZMMSZ5246BT1G, Zener Voltage=5.6V, Category="Zener Diodes", ComponentLink1Description=https://datasheet.ciiva.com/10638/mmsz5221bt1-d-10638284.pdf?src-supplier=Avnet, ComponentLink1URL=https://datasheet.ciiva.com/10638/mmsz5221bt1-d-10638284.pdf?src-supplier=Avnet, ComponentLink2Description=https://datasheet.ciiva.com/900/mmsz5221bt1-d-900242.pdf?src-supplier=Digi-Key, ComponentLink2URL=https://datasheet.ciiva.com/900/mmsz5221bt1-d-900242.pdf?src-supplier=Digi-Key, Pricing 1="1=0.3412, 10=0.2585, 25=0.2552, 100=0.1485, 250=0.1467, 500=0.0977, 1000=0.0743, 3000=0.0616, 6000=0.0574 (USD)", RoHS=Yes, Stock 1=14410, Supplier 1="Arrow Electronics", Supplier Part Number 1=SZMMSZ5246BT1G